# KiCad board fmc_memory_adapter.kicad_pcb (continued)
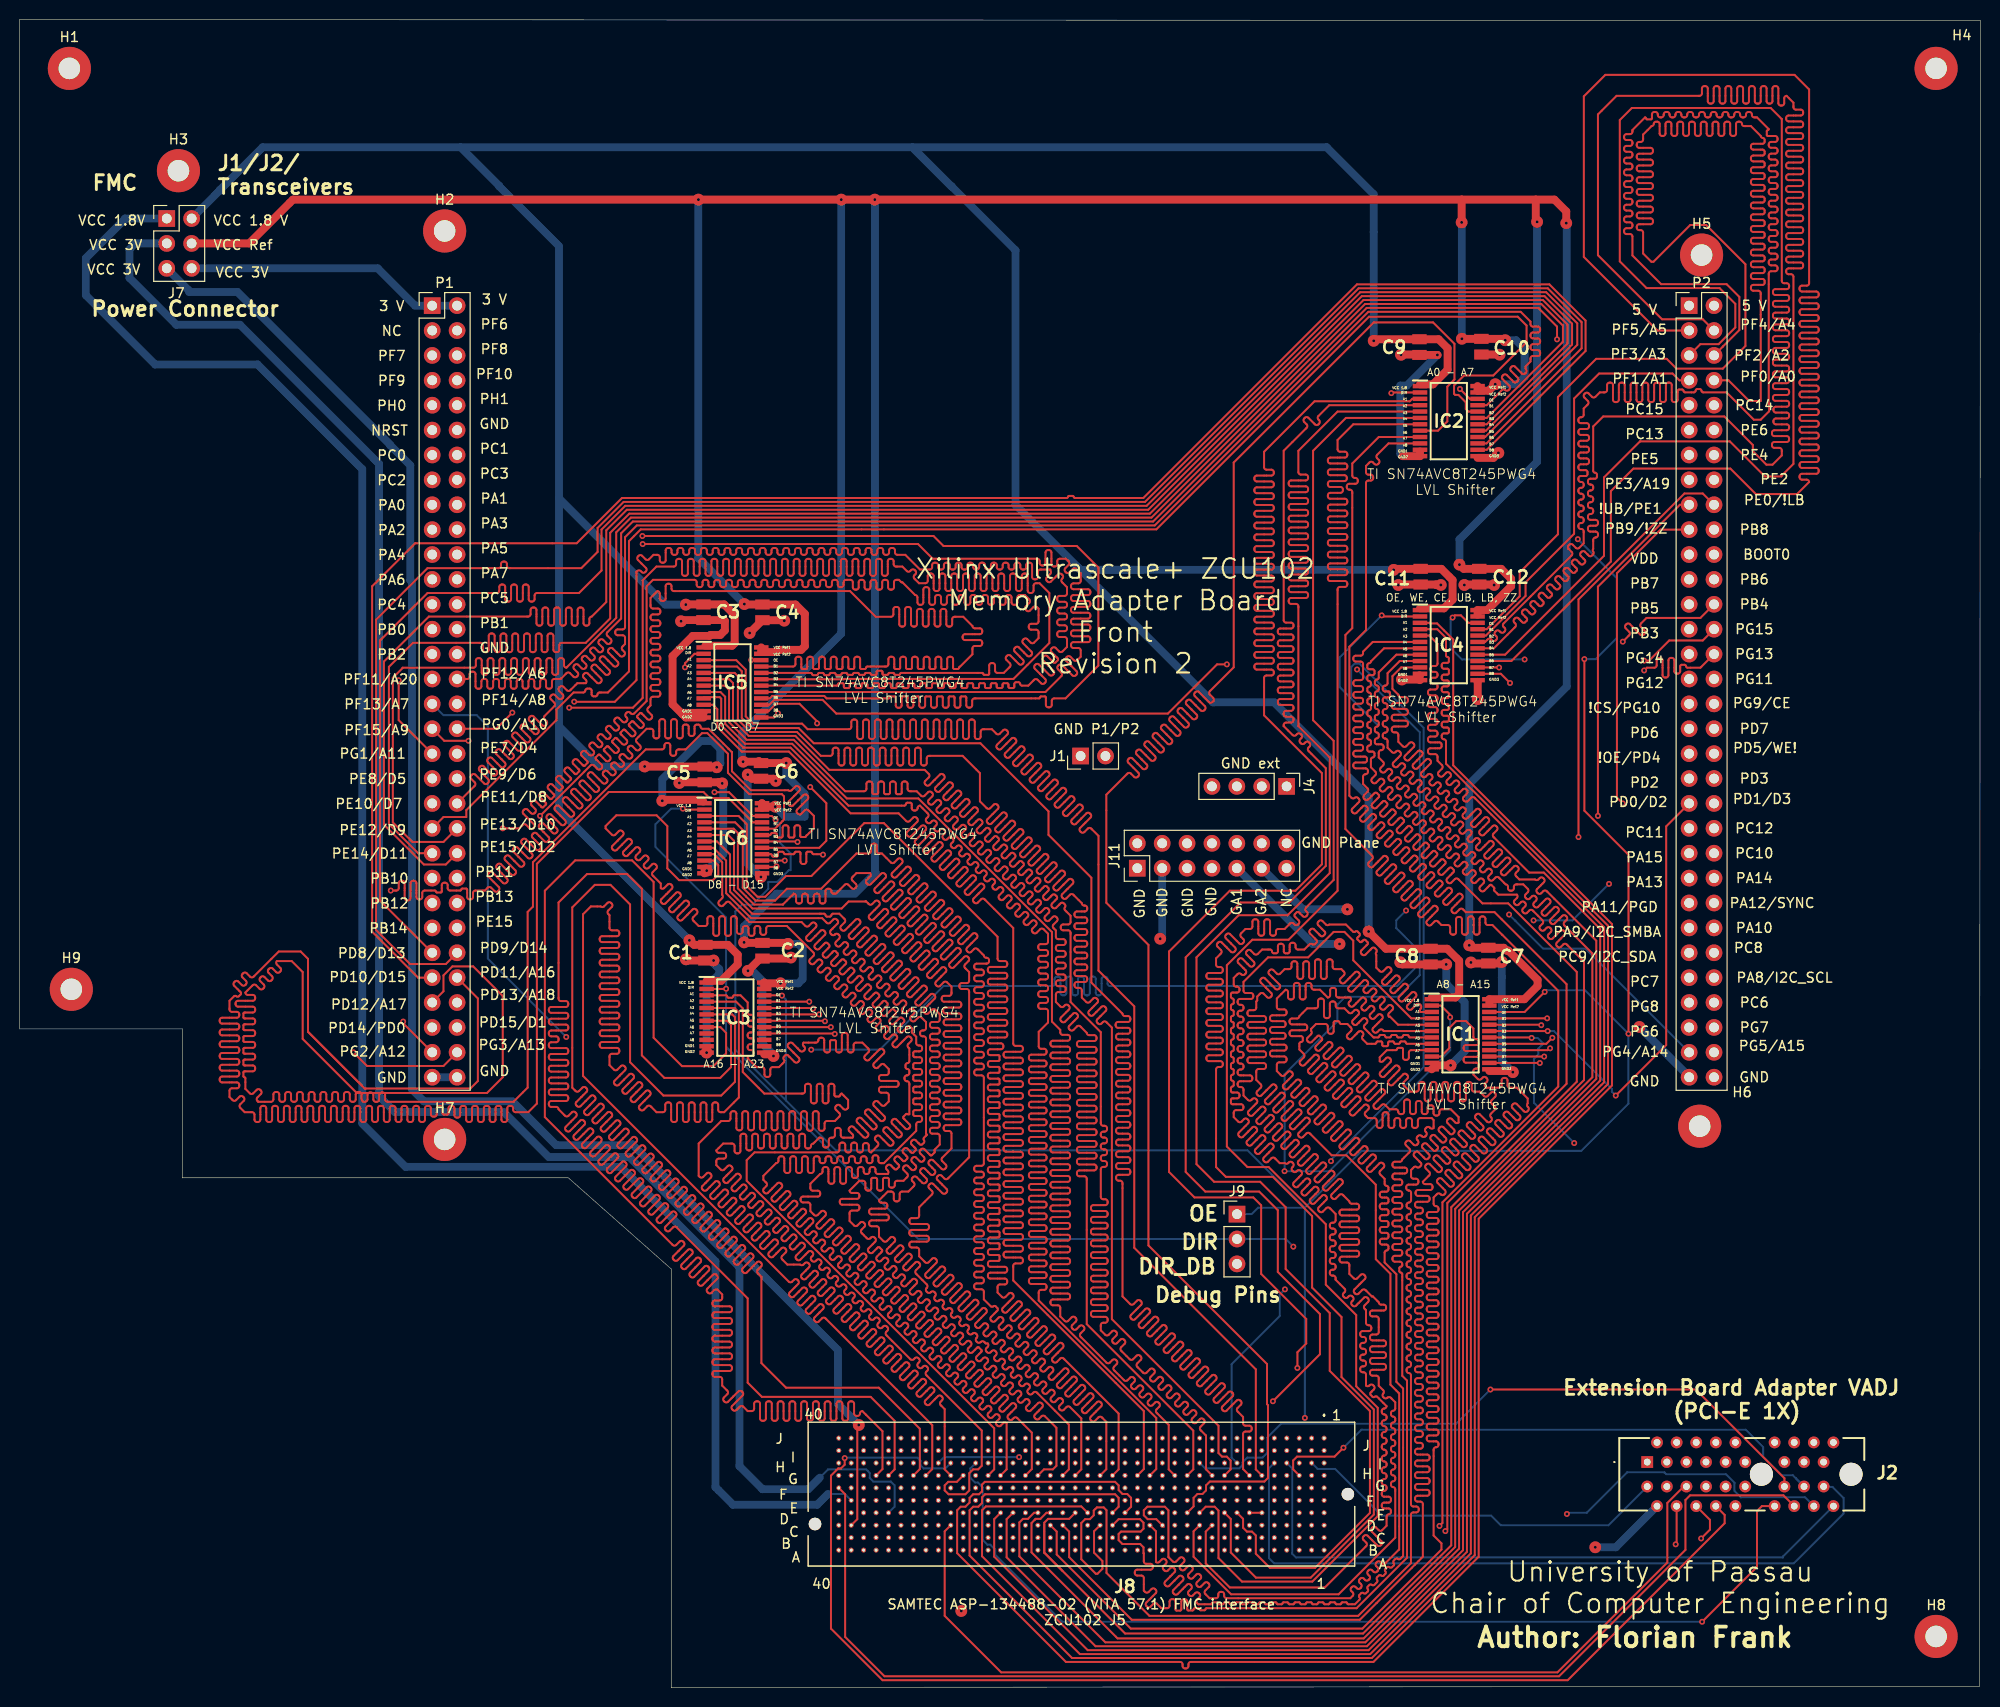
[diagram p0: board, top side]
## Routing (per net, layer and track width the routed paths; a pad name or vN(x,y) marks a point on that pad's centre or on a via; arc(x,y) is an arc through that point) (continued)
Net-(IC3-A3): length 200
  Top w0.2: J8.G33 93.14,22.28 93.14,26.76 82.31,37.59 82.23,37.67 arc(82.06,37.74) 81.89,37.67 81.55,37.33 arc(81.38,37.26) 81.21,37.33 81.13,37.42 arc(81.06,37.59) 81.13,37.76 82,38.63 arc(82.07,38.8) 82,38.97 81.92,39.06 arc(81.75,39.13) 81.58,39.06 80.7,38.18 arc(80.53,38.11) 80.36,38.18 80.28,38.27 arc(80.21,38.44) 80.28,38.61 81.15,39.48 arc(81.22,39.65) 81.15,39.82 81.07,39.9 arc(80.9,39.97) 80.73,39.9 79.85,39.03 arc(79.68,38.96) 79.52,39.03 79.43,39.11 arc(79.36,39.28) 79.43,39.45 80.3,40.33 arc(80.37,40.5) 80.3,40.67 80.22,40.75 arc(80.05,40.82) 79.88,40.75 79.01,39.88 arc(78.84,39.81) 78.67,39.88 78.58,39.96 arc(78.51,40.13) 78.58,40.3 79.46,41.18 arc(79.53,41.35) 79.46,41.52 79.37,41.6 arc(79.2,41.67) 79.03,41.6 78.84,41.4 arc(78.67,41.33) 78.5,41.4 57.5,62.4 57.5,78.9 58.3,79.7 59.3,79.7 arc(59.47,79.63) 59.64,79.7 60.01,80.07 arc(60.18,80.14) 60.35,80.07 60.43,79.98 arc(60.5,79.81) 60.43,79.64 60.06,79.28 arc(59.99,79.11) 60.06,78.94 60.2,78.8 60.2,77.5 arc(60.27,77.33) 60.44,77.26 60.96,77.26 arc(61.13,77.19) 61.2,77.02 61.2,76.9 arc(61.13,76.73) 60.96,76.66 59.44,76.66 arc(59.27,76.59) 59.2,76.42 59.2,76.3 arc(59.27,76.13) 59.44,76.06 60.96,76.06 arc(61.13,75.99) 61.2,75.82 61.2,75.7 arc(61.13,75.53) 60.96,75.46 59.44,75.46 arc(59.27,75.39) 59.2,75.22 59.2,75.1 arc(59.27,74.93) 59.44,74.86 60.96,74.86 arc(61.13,74.79) 61.2,74.62 61.2,74.5 arc(61.13,74.33) 60.96,74.26 59.44,74.26 arc(59.27,74.19) 59.2,74.02 59.2,73.9 arc(59.27,73.73) 59.44,73.66 60.96,73.66 arc(61.13,73.59) 61.2,73.42 61.2,73.3 arc(61.13,73.13) 60.96,73.06 59.44,73.06 arc(59.27,72.99) 59.2,72.82 59.2,72.7 arc(59.27,72.53) 59.44,72.46 60.96,72.46 arc(61.13,72.39) 61.2,72.22 61.2,72.1 arc(61.13,71.93) 60.96,71.86 59.44,71.86 arc(59.27,71.79) 59.2,71.62 59.2,71.5 arc(59.27,71.33) 59.44,71.26 60.96,71.26 arc(61.13,71.19) 61.2,71.02 61.2,70.9 arc(61.13,70.73) 60.96,70.66 59.44,70.66 arc(59.27,70.59) 59.2,70.42 59.2,70.3 arc(59.27,70.13) 59.44,70.06 60.96,70.06 arc(61.13,69.99) 61.2,69.82 61.2,69.7 arc(61.13,69.53) 60.96,69.46 59.44,69.46 arc(59.27,69.39) 59.2,69.22 59.2,69.1 arc(59.27,68.93) 59.44,68.86 60.96,68.86 arc(61.13,68.79) 61.2,68.62 61.2,68.5 arc(61.13,68.33) 60.96,68.26 59.44,68.26 arc(59.27,68.19) 59.2,68.02 59.2,67.9 arc(59.27,67.73) 59.44,67.66 60.96,67.66 arc(61.13,67.59) 61.2,67.42 61.2,67.3 arc(61.13,67.13) 60.96,67.06 59.44,67.06 arc(59.27,66.99) 59.2,66.82 59.2,66.7 arc(59.27,66.53) 59.44,66.46 60.96,66.46 arc(61.13,66.39) 61.2,66.22 61.2,66.1 arc(61.13,65.93) 60.96,65.86 59.44,65.86 arc(59.27,65.79) 59.2,65.62 59.2,65.5 arc(59.27,65.33) 59.44,65.26 60.96,65.26 arc(61.13,65.19) 61.2,65.02 61.2,64.9 arc(61.13,64.73) 60.96,64.66 60.44,64.66 arc(60.27,64.59) 60.2,64.42 60.2,63.5 60.66,63.04 arc(60.83,62.97) 61,63.04 61.37,63.41 arc(61.54,63.48) 61.71,63.41 61.79,63.32 arc(61.86,63.15) 61.79,62.98 60.72,61.91 arc(60.65,61.74) 60.72,61.57 60.8,61.48 arc(60.97,61.41) 61.14,61.48 62.22,62.56 arc(62.38,62.63) 62.55,62.56 62.64,62.47 arc(62.71,62.3) 62.64,62.14 61.56,61.06 arc(61.49,60.89) 61.56,60.72 61.65,60.64 arc(61.82,60.57) 61.99,60.64 63.06,61.71 arc(63.23,61.78) 63.4,61.71 63.49,61.63 arc(63.56,61.46) 63.49,61.29 62.41,60.21 arc(62.34,60.04) 62.41,59.87 62.5,59.79 arc(62.67,59.72) 62.84,59.79 63.91,60.86 arc(64.08,60.93) 64.25,60.86 64.34,60.78 arc(64.41,60.61) 64.34,60.44 63.26,59.36 arc(63.19,59.19) 63.26,59.02 63.35,58.94 arc(63.52,58.87) 63.69,58.94 64.05,59.31 arc(64.22,59.38) 64.39,59.31 65,58.7 65.65,58.7 arc(65.82,58.77) 65.89,58.94 65.89,59.46 arc(65.96,59.63) 66.13,59.7 66.25,59.7 arc(66.42,59.63) 66.49,59.46 66.49,57.94 arc(66.56,57.77) 66.73,57.7 66.85,57.7 arc(67.02,57.77) 67.09,57.94 67.09,59.46 arc(67.16,59.63) 67.33,59.7 67.45,59.7 arc(67.62,59.63) 67.69,59.46 67.69,57.94 arc(67.76,57.77) 67.93,57.7 68.05,57.7 arc(68.22,57.77) 68.29,57.94 68.29,59.46 arc(68.36,59.63) 68.53,59.7 68.65,59.7 arc(68.82,59.63) 68.89,59.46 68.89,57.94 arc(68.96,57.77) 69.13,57.7 69.25,57.7 arc(69.42,57.77) 69.49,57.94 69.49,59.46 arc(69.56,59.63) 69.73,59.7 69.85,59.7 arc(70.02,59.63) 70.09,59.46 70.09,57.94 arc(70.16,57.77) 70.33,57.7 70.45,57.7 arc(70.62,57.77) 70.69,57.94 70.69,59.46 arc(70.76,59.63) 70.93,59.7 71.05,59.7 arc(71.22,59.63) 71.29,59.46 71.29,58.94 arc(71.36,58.77) 71.53,58.7 71.9,58.7 73.4,60.2 73.4,68.9 72.97,69.33 IC3.5
Net-(IC3-A4): length 200
  Top w0.2: IC3.6 72.72,68.68 73,68.4 73,61.8 71.6,60.4 65.7,60.4 62.3,63.8 62.3,79.9 60.3,81.9 58.7,81.9 56.4,79.6 56.4,61.2 56.75,60.85 arc(56.91,60.78) 57.08,60.85 57.44,61.21 arc(57.61,61.28) 57.78,61.21 57.86,61.13 arc(57.93,60.96) 57.86,60.79 56.81,59.74 arc(56.74,59.57) 56.81,59.4 56.9,59.31 arc(57.07,59.24) 57.24,59.31 58.29,60.36 arc(58.46,60.43) 58.63,60.36 58.71,60.28 arc(58.78,60.11) 58.71,59.94 57.66,58.89 arc(57.59,58.72) 57.66,58.55 57.75,58.46 arc(57.92,58.39) 58.09,58.46 59.14,59.51 arc(59.31,59.58) 59.48,59.51 59.56,59.43 arc(59.63,59.26) 59.56,59.09 58.51,58.04 arc(58.44,57.87) 58.51,57.7 58.6,57.61 arc(58.77,57.54) 58.94,57.61 59.99,58.66 arc(60.16,58.74) 60.33,58.66 60.41,58.58 arc(60.48,58.41) 60.41,58.24 59.36,57.19 arc(59.29,57.02) 59.36,56.85 59.44,56.77 arc(59.61,56.7) 59.78,56.77 60.83,57.82 arc(61,57.89) 61.17,57.82 61.26,57.73 arc(61.33,57.56) 61.26,57.39 60.21,56.34 arc(60.14,56.17) 60.21,56 60.29,55.92 arc(60.46,55.85) 60.63,55.92 61.68,56.97 arc(61.85,57.04) 62.02,56.97 62.11,56.88 arc(62.18,56.71) 62.11,56.54 61.06,55.49 arc(60.99,55.32) 61.06,55.15 61.14,55.07 arc(61.31,55) 61.48,55.07 62.53,56.12 arc(62.7,56.19) 62.87,56.12 62.96,56.03 arc(63.03,55.86) 62.96,55.69 61.91,54.64 arc(61.83,54.47) 61.91,54.31 61.99,54.22 arc(62.16,54.15) 62.33,54.22 63.38,55.27 arc(63.55,55.34) 63.72,55.27 63.8,55.19 arc(63.87,55.02) 63.8,54.85 62.75,53.8 arc(62.68,53.63) 62.75,53.46 62.84,53.37 arc(63.01,53.3) 63.18,53.37 64.23,54.42 arc(64.4,54.49) 64.57,54.42 64.65,54.34 arc(64.72,54.17) 64.65,54 63.6,52.95 arc(63.53,52.78) 63.6,52.61 63.69,52.52 arc(63.86,52.45) 64.03,52.52 65.08,53.57 arc(65.25,53.64) 65.42,53.57 65.5,53.49 arc(65.57,53.32) 65.5,53.15 64.45,52.1 arc(64.38,51.93) 64.45,51.76 64.54,51.67 arc(64.71,51.6) 64.87,51.67 65.93,52.72 arc(66.1,52.8) 66.26,52.72 66.35,52.64 arc(66.42,52.47) 66.35,52.3 65.3,51.25 arc(65.23,51.08) 65.3,50.91 65.38,50.83 arc(65.55,50.76) 65.72,50.83 66.77,51.88 arc(66.94,51.95) 67.11,51.88 67.2,51.79 arc(67.27,51.62) 67.2,51.45 66.15,50.4 arc(66.08,50.23) 66.15,50.06 66.23,49.98 arc(66.4,49.91) 66.57,49.98 67.62,51.03 arc(67.79,51.1) 67.96,51.03 68.05,50.94 arc(68.12,50.77) 68.05,50.6 67,49.55 arc(66.93,49.38) 67,49.21 67.08,49.13 arc(67.25,49.06) 67.42,49.13 68.47,50.18 arc(68.64,50.25) 68.81,50.18 68.9,50.09 arc(68.97,49.92) 68.9,49.76 67.84,48.7 arc(67.77,48.54) 67.84,48.37 67.93,48.28 arc(68.1,48.21) 68.27,48.28 69.32,49.33 arc(69.49,49.4) 69.66,49.33 69.74,49.25 arc(69.81,49.08) 69.74,48.91 68.69,47.86 arc(68.62,47.69) 68.69,47.52 68.78,47.43 arc(68.95,47.36) 69.12,47.43 70.17,48.48 arc(70.34,48.55) 70.51,48.48 70.59,48.4 arc(70.66,48.23) 70.59,48.06 69.54,47.01 arc(69.47,46.84) 69.54,46.67 69.63,46.58 arc(69.8,46.51) 69.97,46.58 71.02,47.63 arc(71.19,47.7) 71.36,47.63 71.44,47.55 arc(71.51,47.38) 71.44,47.21 70.39,46.16 arc(70.32,45.99) 70.39,45.82 70.48,45.73 arc(70.65,45.66) 70.81,45.73 71.87,46.79 arc(72.03,46.86) 72.2,46.79 72.29,46.7 arc(72.36,46.53) 72.29,46.36 71.24,45.31 arc(71.17,45.14) 71.24,44.97 71.32,44.89 arc(71.49,44.82) 71.66,44.89 72.71,45.94 arc(72.88,46.01) 73.05,45.94 73.14,45.85 arc(73.21,45.68) 73.14,45.51 72.09,44.46 arc(72.02,44.29) 72.09,44.12 72.17,44.04 arc(72.34,43.97) 72.51,44.04 73.56,45.09 arc(73.73,45.16) 73.9,45.09 73.99,45 arc(74.06,44.83) 73.99,44.66 72.94,43.61 arc(72.87,43.44) 72.94,43.27 73.02,43.19 arc(73.19,43.12) 73.36,43.19 74.41,44.24 arc(74.58,44.31) 74.75,44.24 74.83,44.15 arc(74.91,43.99) 74.83,43.82 73.78,42.77 arc(73.71,42.6) 73.78,42.43 73.87,42.34 arc(74.04,42.27) 74.21,42.34 75.26,43.39 arc(75.43,43.46) 75.6,43.39 75.68,43.31 arc(75.75,43.14) 75.68,42.97 75.33,42.61 arc(75.26,42.44) 75.33,42.27 75.7,41.9 75.7,33.1 78.22,30.58 87.68,30.58 91.87,26.4 91.87,22.28 J8.G34
Net-(IC3-A5): length 200
  Top w0.2: IC3.7 72.2,68.03 72.6,67.63 72.6,63.3 71.5,62.2 65.8,62.2 63.5,64.5 63.5,81.5 62,83 57.9,83 55,80.1 55,70.28 arc(55.07,70.11) 55.24,70.04 55.75,70.04 arc(55.92,69.97) 55.99,69.8 55.99,69.68 arc(55.92,69.51) 55.75,69.44 54.25,69.44 arc(54.08,69.37) 54.01,69.2 54.01,69.08 arc(54.08,68.91) 54.25,68.84 55.75,68.84 arc(55.92,68.77) 55.99,68.6 55.99,68.48 arc(55.92,68.31) 55.75,68.24 54.25,68.24 arc(54.08,68.17) 54.01,68 54.01,67.88 arc(54.08,67.71) 54.25,67.64 55.75,67.64 arc(55.92,67.57) 55.99,67.4 55.99,67.28 arc(55.92,67.11) 55.75,67.04 54.25,67.04 arc(54.08,66.97) 54.01,66.8 54.01,66.68 arc(54.08,66.51) 54.25,66.44 54.76,66.44 arc(54.93,66.37) 55,66.2 55,66.08 arc(54.93,65.91) 54.76,65.84 54.25,65.84 arc(54.08,65.77) 54.01,65.6 54.01,65.48 arc(54.08,65.31) 54.25,65.24 55.75,65.24 arc(55.92,65.17) 55.99,65 55.99,64.88 arc(55.92,64.71) 55.75,64.64 54.25,64.64 arc(54.08,64.57) 54.01,64.4 54.01,64.28 arc(54.08,64.11) 54.25,64.04 55.75,64.04 arc(55.92,63.97) 55.99,63.8 55.99,63.68 arc(55.92,63.51) 55.75,63.44 54.25,63.44 arc(54.08,63.37) 54.01,63.2 54.01,63.08 arc(54.08,62.91) 54.25,62.84 55.75,62.84 arc(55.92,62.77) 55.99,62.6 55.99,62.48 arc(55.92,62.31) 55.75,62.24 54.25,62.24 arc(54.08,62.17) 54.01,62 54.01,61.88 arc(54.08,61.71) 54.25,61.64 55.75,61.64 arc(55.92,61.57) 55.99,61.4 55.99,61.28 arc(55.92,61.11) 55.75,61.04 54.25,61.04 arc(54.08,60.97) 54.01,60.8 54.01,60.68 arc(54.08,60.51) 54.25,60.44 55.75,60.44 arc(55.92,60.37) 55.99,60.2 55.99,60.08 arc(55.92,59.91) 55.75,59.84 54.25,59.84 arc(54.08,59.77) 54.01,59.6 54.01,59.48 arc(54.08,59.31) 54.25,59.24 54.76,59.24 arc(54.93,59.17) 55,59 55.67,58.33 arc(55.84,58.26) 56.01,58.33 56.37,58.69 arc(56.54,58.76) 56.71,58.69 56.79,58.61 arc(56.86,58.44) 56.79,58.27 55.73,57.21 arc(55.66,57.04) 55.73,56.87 55.82,56.78 arc(55.99,56.71) 56.16,56.78 57.22,57.84 arc(57.39,57.91) 57.56,57.84 57.64,57.76 arc(57.71,57.59) 57.64,57.42 56.58,56.36 arc(56.51,56.19) 56.58,56.02 56.66,55.93 arc(56.83,55.86) 57,55.93 58.07,57 arc(58.24,57.07) 58.41,57 58.49,56.91 arc(58.56,56.74) 58.49,56.57 57.43,55.51 arc(57.36,55.34) 57.43,55.17 57.51,55.09 arc(57.68,55.02) 57.85,55.09 58.91,56.15 arc(59.08,56.22) 59.25,56.15 59.34,56.06 arc(59.41,55.89) 59.34,55.72 58.28,54.66 arc(58.21,54.49) 58.28,54.32 58.36,54.24 arc(58.53,54.17) 58.7,54.24 59.76,55.3 arc(59.93,55.37) 60.1,55.3 60.19,55.21 arc(60.26,55.04) 60.19,54.87 59.13,53.81 arc(59.06,53.64) 59.13,53.47 59.21,53.39 arc(59.38,53.32) 59.55,53.39 60.61,54.45 arc(60.78,54.52) 60.95,54.45 61.04,54.37 arc(61.11,54.2) 61.04,54.03 59.97,52.96 arc(59.9,52.79) 59.97,52.62 60.06,52.54 arc(60.23,52.47) 60.4,52.54 61.46,53.6 arc(61.63,53.67) 61.8,53.6 61.88,53.52 arc(61.95,53.35) 61.88,53.18 60.82,52.12 arc(60.75,51.95) 60.82,51.78 60.91,51.69 arc(61.08,51.62) 61.25,51.69 62.31,52.75 arc(62.48,52.82) 62.65,52.75 62.73,52.67 arc(62.8,52.5) 62.73,52.33 61.67,51.27 arc(61.6,51.1) 61.67,50.93 61.76,50.84 arc(61.93,50.77) 62.1,50.84 63.16,51.9 arc(63.33,51.98) 63.5,51.9 63.58,51.82 arc(63.65,51.65) 63.58,51.48 62.52,50.42 arc(62.45,50.25) 62.52,50.08 62.6,49.99 arc(62.77,49.92) 62.94,49.99 64.01,51.06 arc(64.18,51.13) 64.35,51.06 64.43,50.97 arc(64.5,50.8) 64.43,50.63 63.37,49.57 arc(63.3,49.4) 63.37,49.23 63.45,49.15 arc(63.62,49.08) 63.79,49.15 64.85,50.21 arc(65.02,50.28) 65.19,50.21 65.28,50.12 arc(65.35,49.95) 65.28,49.78 64.22,48.72 arc(64.15,48.55) 64.22,48.38 64.3,48.3 arc(64.47,48.23) 64.64,48.3 65.7,49.36 arc(65.87,49.43) 66.04,49.36 66.13,49.27 arc(66.2,49.1) 66.13,48.93 65.07,47.87 arc(64.99,47.7) 65.07,47.53 65.15,47.45 arc(65.32,47.38) 65.49,47.45 66.55,48.51 arc(66.72,48.58) 66.89,48.51 66.98,48.43 arc(67.05,48.26) 66.98,48.09 65.91,47.02 arc(65.84,46.85) 65.91,46.68 66,46.6 arc(66.17,46.53) 66.34,46.6 66.7,46.96 arc(66.87,47.03) 67.04,46.96 74.3,39.7 74.3,31.1 75.75,29.65 86.85,29.65 89.3,27.2 89.3,22.25 J8.G36
Net-(IC3-A6): length 200
  Top w0.2: IC3.8 71.52,67.38 72.1,66.8 72.1,64.7 70.8,63.4 67.6,63.4 64.7,66.3 64.7,82.2 62.5,84.4 56.7,84.4 53.6,81.3 53.6,58.2 66.57,45.23 66.66,45.14 arc(66.83,45.07) 67,45.14 67.36,45.5 arc(67.53,45.57) 67.7,45.5 67.78,45.42 arc(67.85,45.25) 67.78,45.08 66.72,44.02 arc(66.65,43.85) 66.72,43.68 66.8,43.59 arc(66.97,43.52) 67.14,43.59 68.21,44.66 arc(68.38,44.73) 68.55,44.66 68.63,44.57 arc(68.7,44.4) 68.63,44.23 67.57,43.17 arc(67.5,43) 67.57,42.83 67.65,42.74 arc(67.82,42.67) 67.99,42.74 69.06,43.81 arc(69.23,43.88) 69.4,43.81 69.48,43.72 arc(69.55,43.55) 69.48,43.38 68.42,42.32 arc(68.35,42.15) 68.42,41.98 68.5,41.89 arc(68.67,41.82) 68.84,41.89 69.91,42.96 arc(70.08,43.03) 70.25,42.96 70.33,42.87 arc(70.4,42.7) 70.33,42.53 69.27,41.47 arc(69.2,41.3) 69.27,41.13 69.35,41.05 arc(69.52,40.98) 69.69,41.05 70.75,42.11 arc(70.92,42.18) 71.09,42.11 71.18,42.03 arc(71.25,41.86) 71.18,41.69 70.18,40.69 arc(70.11,40.52) 70.18,40.35 70.27,40.27 arc(70.44,40.2) 70.61,40.27 70.9,40.56 arc(71.07,40.63) 71.24,40.56 71.7,40.1 71.7,39.73 arc(71.63,39.56) 71.46,39.49 70.95,39.49 arc(70.78,39.42) 70.71,39.25 70.71,39.13 arc(70.78,38.96) 70.95,38.89 72.45,38.89 arc(72.62,38.82) 72.69,38.65 72.69,38.53 arc(72.62,38.36) 72.45,38.29 70.95,38.29 arc(70.78,38.22) 70.71,38.05 70.71,37.93 arc(70.78,37.76) 70.95,37.69 72.45,37.69 arc(72.62,37.62) 72.69,37.45 72.69,37.33 arc(72.62,37.16) 72.45,37.09 70.95,37.09 arc(70.78,37.02) 70.71,36.85 70.71,36.73 arc(70.78,36.56) 70.95,36.49 72.45,36.49 arc(72.62,36.42) 72.69,36.25 72.69,36.13 arc(72.62,35.96) 72.45,35.89 70.95,35.89 arc(70.78,35.82) 70.71,35.65 70.71,35.53 arc(70.78,35.36) 70.95,35.29 72.45,35.29 arc(72.62,35.22) 72.69,35.05 72.69,34.93 arc(72.62,34.76) 72.45,34.69 70.95,34.69 arc(70.78,34.62) 70.71,34.45 70.71,34.33 arc(70.78,34.16) 70.95,34.09 72.45,34.09 arc(72.62,34.02) 72.69,33.85 72.69,33.73 arc(72.62,33.56) 72.45,33.49 70.95,33.49 arc(70.78,33.42) 70.71,33.25 70.71,33.13 arc(70.78,32.96) 70.95,32.89 72.45,32.89 arc(72.62,32.82) 72.69,32.65 72.69,32.53 arc(72.62,32.36) 72.45,32.29 70.95,32.29 arc(70.78,32.22) 70.71,32.05 70.71,31.93 arc(70.78,31.76) 70.95,31.69 71.46,31.69 arc(71.63,31.62) 71.7,31.45 71.7,30.8 72.23,30.27 arc(72.3,30.1) 72.23,29.93 71.87,29.57 arc(71.8,29.4) 71.87,29.23 71.95,29.15 arc(72.12,29.08) 72.29,29.15 73.35,30.21 arc(73.52,30.28) 73.69,30.21 73.78,30.13 arc(73.85,29.96) 73.78,29.79 72.71,28.72 arc(72.64,28.55) 72.71,28.38 72.8,28.3 arc(72.97,28.23) 73.14,28.3 73.5,28.66 arc(73.67,28.73) 73.84,28.66 74.3,28.2 74.72,28.2 arc(74.89,28.27) 74.96,28.44 74.96,28.95 arc(75.03,29.12) 75.2,29.19 75.32,29.19 arc(75.49,29.12) 75.56,28.95 75.56,27.45 arc(75.63,27.28) 75.8,27.21 75.92,27.21 arc(76.09,27.28) 76.16,27.45 76.16,28.95 arc(76.23,29.12) 76.4,29.19 76.52,29.19 arc(76.69,29.12) 76.76,28.95 76.76,27.45 arc(76.83,27.28) 77,27.21 77.12,27.21 arc(77.29,27.28) 77.36,27.45 77.36,28.95 arc(77.43,29.12) 77.6,29.19 77.72,29.19 arc(77.89,29.12) 77.96,28.95 77.96,27.45 arc(78.03,27.28) 78.2,27.21 78.32,27.21 arc(78.49,27.28) 78.56,27.45 78.56,28.95 arc(78.63,29.12) 78.8,29.19 78.92,29.19 arc(79.09,29.12) 79.16,28.95 79.16,27.45 arc(79.23,27.28) 79.4,27.21 79.52,27.21 arc(79.69,27.28) 79.76,27.45 79.76,28.95 arc(79.83,29.12) 80,29.19 80.12,29.19 arc(80.29,29.12) 80.36,28.95 80.36,27.45 arc(80.43,27.28) 80.6,27.21 80.72,27.21 arc(80.89,27.28) 80.96,27.45 80.96,28.95 arc(81.03,29.12) 81.2,29.19 81.32,29.19 arc(81.49,29.12) 81.56,28.95 81.56,27.45 arc(81.63,27.28) 81.8,27.21 81.92,27.21 arc(82.09,27.28) 82.16,27.45 82.16,28.95 arc(82.23,29.12) 82.4,29.19 82.52,29.19 arc(82.69,29.12) 82.76,28.95 82.76,27.45 arc(82.83,27.28) 83,27.21 83.12,27.21 arc(83.29,27.28) 83.36,27.45 83.36,28.95 arc(83.43,29.12) 83.6,29.19 83.72,29.19 arc(83.89,29.12) 83.96,28.95 83.96,27.45 arc(84.03,27.28) 84.2,27.21 84.32,27.21 arc(84.49,27.28) 84.56,27.45 84.56,28.95 arc(84.63,29.12) 84.8,29.19 84.92,29.19 arc(85.09,29.12) 85.16,28.95 85.16,27.95 arc(85.23,27.78) 85.4,27.71 85.52,27.71 arc(85.69,27.78) 85.76,27.95 85.76,27.96 arc(85.83,28.13) 86,28.2 88.06,26.14 88.06,22.28 J8.G37
Net-(IC3-B1): length 198.5
  Top w0.2: IC3.21 v2(80.59,69.98)
  In2.Cu w0.2: v2(80.59,69.98) 85.69,69.98 arc(85.86,70.05) 85.93,70.22 85.93,70.73 arc(86,70.9) 86.17,70.97 86.29,70.97 arc(86.46,70.9) 86.53,70.73 86.53,69.83 arc(86.58,69.73) 86.68,69.69 86.99,69.69 arc(87.09,69.73) 87.13,69.83 87.13,70.73 arc(87.2,70.9) 87.37,70.97 87.49,70.97 arc(87.66,70.9) 87.73,70.73 87.73,69.83 arc(87.78,69.73) 87.88,69.69 88.19,69.69 arc(88.29,69.73) 88.33,69.83 88.33,70.73 arc(88.4,70.9) 88.57,70.97 88.69,70.97 arc(88.86,70.9) 88.93,70.73 88.93,69.83 arc(88.98,69.73) 89.08,69.69 89.39,69.69 arc(89.49,69.73) 89.53,69.83 89.53,70.73 arc(89.6,70.9) 89.77,70.97 89.89,70.97 arc(90.06,70.9) 90.13,70.73 90.13,69.83 arc(90.18,69.73) 90.28,69.69 90.59,69.69 arc(90.69,69.73) 90.73,69.83 90.73,70.73 arc(90.8,70.9) 90.97,70.97 91.09,70.97 arc(91.26,70.9) 91.33,70.73 91.33,69.83 arc(91.38,69.73) 91.48,69.69 91.79,69.69 arc(91.89,69.73) 91.93,69.83 91.93,70.73 arc(92,70.9) 92.17,70.97 92.29,70.97 arc(92.46,70.9) 92.53,70.73 92.53,69.83 arc(92.58,69.73) 92.68,69.69 92.99,69.69 arc(93.09,69.73) 93.13,69.83 93.13,70.73 arc(93.2,70.9) 93.37,70.97 93.49,70.97 arc(93.66,70.9) 93.73,70.73 93.73,69.83 arc(93.78,69.73) 93.88,69.69 94.19,69.69 arc(94.29,69.73) 94.33,69.83 94.33,70.48 arc(94.4,70.65) 94.57,70.72 94.69,70.72 arc(94.86,70.65) 94.93,70.48 94.93,69.83 arc(94.98,69.73) 95.08,69.69 95.39,69.69 arc(95.49,69.73) 95.53,69.83 95.53,70.48 arc(95.6,70.65) 95.77,70.72 95.89,70.72 arc(96.06,70.65) 96.13,70.48 96.13,69.83 arc(96.18,69.73) 96.28,69.69 96.59,69.69 arc(96.69,69.73) 96.73,69.83 96.73,70.48 arc(96.8,70.65) 96.97,70.72 97.09,70.72 arc(97.26,70.65) 97.33,70.48 97.33,69.23 arc(97.4,69.06) 97.57,68.99 97.69,68.99 arc(97.86,69.06) 97.93,69.23 97.93,70.48 arc(98,70.65) 98.17,70.72 98.29,70.72 arc(98.46,70.65) 98.53,70.48 98.53,69.23 arc(98.6,69.06) 98.77,68.99 98.89,68.99 arc(99.06,69.06) 99.13,69.23 99.13,70.48 arc(99.2,70.65) 99.37,70.72 99.49,70.72 arc(99.66,70.65) 99.73,70.48 99.73,69.23 arc(99.8,69.06) 99.97,68.99 100.09,68.99 arc(100.26,69.06) 100.33,69.23 100.33,70.48 arc(100.4,70.65) 100.57,70.72 100.69,70.72 arc(100.86,70.65) 100.93,70.48 100.93,69.43 arc(101,69.26) 101.17,69.19 101.29,69.19 arc(101.46,69.26) 101.53,69.43 101.53,70.48 arc(101.6,70.65) 101.77,70.72 101.89,70.72 arc(102.06,70.65) 102.13,70.48 102.13,69.43 arc(102.2,69.26) 102.37,69.19 102.49,69.19 arc(102.66,69.26) 102.73,69.43 102.73,70.48 arc(102.8,70.65) 102.97,70.72 103.09,70.72 arc(103.26,70.65) 103.33,70.48 103.33,69.43 arc(103.4,69.26) 103.57,69.19 103.69,69.19 arc(103.86,69.26) 103.93,69.43 103.93,70.48 arc(104,70.65) 104.17,70.72 104.29,70.72 arc(104.46,70.65) 104.53,70.48 104.53,69.43 arc(104.6,69.26) 104.77,69.19 104.89,69.19 arc(105.06,69.26) 105.13,69.43 105.13,70.48 arc(105.2,70.65) 105.37,70.72 105.49,70.72 arc(105.66,70.65) 105.73,70.48 105.73,69.43 arc(105.8,69.26) 105.97,69.19 106.09,69.19 arc(106.26,69.26) 106.33,69.43 106.33,70.48 arc(106.4,70.65) 106.57,70.72 106.69,70.72 arc(106.86,70.65) 106.93,70.48 106.93,69.43 arc(107,69.26) 107.17,69.19 107.29,69.19 arc(107.46,69.26) 107.53,69.43 107.53,70.48 arc(107.6,70.65) 107.77,70.72 107.89,70.72 arc(108.06,70.65) 108.13,70.48 108.13,69.43 arc(108.2,69.26) 108.37,69.19 108.49,69.19 arc(108.66,69.26) 108.73,69.43 108.73,70.48 arc(108.8,70.65) 108.97,70.72 109.09,70.72 arc(109.26,70.65) 109.33,70.48 109.33,70.22 arc(109.4,70.05) 109.57,69.98 135.07,69.98 arc(135.24,70.05) 135.31,70.22 135.31,70.49 arc(135.38,70.66) 135.55,70.73 135.67,70.73 arc(135.84,70.66) 135.91,70.49 135.91,69.22 arc(135.98,69.05) 136.15,68.98 136.27,68.98 arc(136.44,69.05) 136.51,69.22 136.51,70.49 arc(136.58,70.66) 136.75,70.73 136.87,70.73 arc(137.04,70.66) 137.11,70.49 137.11,69.22 arc(137.18,69.05) 137.35,68.98 137.47,68.98 arc(137.64,69.05) 137.71,69.22 137.71,70.49 arc(137.78,70.66) 137.95,70.73 138.07,70.73 arc(138.24,70.66) 138.31,70.49 138.31,69.22 arc(138.38,69.05) 138.55,68.98 138.67,68.98 arc(138.84,69.05) 138.91,69.22 138.91,70.49 arc(138.98,70.66) 139.15,70.73 139.27,70.73 arc(139.44,70.66) 139.51,70.49 139.51,69.22 arc(139.58,69.05) 139.75,68.98 139.87,68.98 arc(140.04,69.05) 140.11,69.22 140.11,70.49 arc(140.18,70.66) 140.35,70.73 140.47,70.73 arc(140.64,70.66) 140.71,70.49 140.71,69.22 arc(140.78,69.05) 140.95,68.98 141.07,68.98 arc(141.24,69.05) 141.31,69.22 141.31,70.49 arc(141.38,70.66) 141.55,70.73 141.67,70.73 arc(141.84,70.66) 141.91,70.49 141.91,69.22 arc(141.98,69.05) 142.15,68.98 142.27,68.98 arc(142.44,69.05) 142.51,69.22 142.51,70.49 arc(142.58,70.66) 142.75,70.73 142.87,70.73 arc(143.04,70.66) 143.11,70.49 143.11,69.22 arc(143.18,69.05) 143.35,68.98 143.47,68.98 arc(143.64,69.05) 143.71,69.22 143.71,70.49 arc(143.78,70.66) 143.95,70.73 144.07,70.73 arc(144.24,70.66) 144.31,70.49 144.31,69.22 arc(144.38,69.05) 144.55,68.98 144.67,68.98 arc(144.84,69.05) 144.91,69.22 144.91,70.49 arc(144.98,70.66) 145.15,70.73 145.27,70.73 arc(145.44,70.66) 145.51,70.49 145.51,69.22 arc(145.58,69.05) 145.75,68.98 145.87,68.98 arc(146.04,69.05) 146.11,69.22 146.11,70.49 arc(146.18,70.66) 146.35,70.73 146.47,70.73 arc(146.64,70.66) 146.71,70.49 146.71,69.22 arc(146.78,69.05) 146.95,68.98 147.07,68.98 arc(147.24,69.05) 147.31,69.22 147.31,70.49 arc(147.38,70.66) 147.55,70.73 147.67,70.73 arc(147.84,70.66) 147.91,70.49 147.91,69.22 arc(147.98,69.05) 148.15,68.98 148.27,68.98 arc(148.44,69.05) 148.51,69.22 148.51,70.49 arc(148.58,70.66) 148.75,70.73 148.87,70.73 arc(149.04,70.66) 149.11,70.49 149.11,69.22 arc(149.18,69.05) 149.35,68.98 149.47,68.98 arc(149.64,69.05) 149.71,69.22 149.71,70.49 arc(149.78,70.66) 149.95,70.73 150.07,70.73 arc(150.24,70.66) 150.31,70.49 150.31,70.22 arc(150.38,70.05) 150.55,69.98 151.09,69.98 157.49,76.38 157.49,89.18 163.6,95.29 P2.37
Net-(IC3-B2): length 198.5
  Top w0.2: v2(80.99,69.28) 80.94,69.33 IC3.20
  In2.Cu w0.2: v2(80.99,69.28) 96.49,69.28 97.99,67.78 99.71,67.78 arc(99.88,67.71) 99.95,67.54 99.95,67.02 arc(100.03,66.85) 100.19,66.78 100.31,66.78 arc(100.48,66.85) 100.55,67.02 100.55,68.54 arc(100.63,68.71) 100.79,68.78 100.91,68.78 arc(101.08,68.71) 101.15,68.54 101.15,68.02 arc(101.23,67.85) 101.39,67.78 101.51,67.78 arc(101.68,67.85) 101.75,68.02 101.75,68.54 arc(101.83,68.71) 101.99,68.78 102.11,68.78 arc(102.28,68.71) 102.35,68.54 102.35,68.02 arc(102.43,67.85) 102.59,67.78 102.71,67.78 arc(102.88,67.85) 102.95,68.02 102.95,68.54 arc(103.03,68.71) 103.19,68.78 103.31,68.78 arc(103.48,68.71) 103.55,68.54 103.55,68.02 arc(103.63,67.85) 103.79,67.78 103.91,67.78 arc(104.08,67.85) 104.15,68.02 104.15,68.54 arc(104.23,68.71) 104.39,68.78 104.51,68.78 arc(104.68,68.71) 104.75,68.54 104.75,68.02 arc(104.83,67.85) 104.99,67.78 105.11,67.78 arc(105.28,67.85) 105.35,68.02 105.35,68.54 arc(105.43,68.71) 105.59,68.78 105.71,68.78 arc(105.88,68.71) 105.95,68.54 105.95,68.02 arc(106.03,67.85) 106.19,67.78 106.31,67.78 arc(106.48,67.85) 106.55,68.02 106.55,68.54 arc(106.63,68.71) 106.79,68.78 106.91,68.78 arc(107.08,68.71) 107.15,68.54 107.15,68.02 arc(107.23,67.85) 107.39,67.78 107.51,67.78 arc(107.68,67.85) 107.75,68.02 107.75,68.54 arc(107.83,68.71) 107.99,68.78 108.11,68.78 arc(108.28,68.71) 108.35,68.54 108.35,68.02 arc(108.43,67.85) 108.59,67.78 108.71,67.78 arc(108.88,67.85) 108.95,68.02 108.95,68.54 arc(109.03,68.71) 109.19,68.78 109.31,68.78 arc(109.48,68.71) 109.55,68.54 109.55,68.02 arc(109.63,67.85) 109.79,67.78 109.91,67.78 arc(110.08,67.85) 110.15,68.02 110.15,68.54 arc(110.23,68.71) 110.39,68.78 110.51,68.78 arc(110.68,68.71) 110.75,68.54 110.75,68.02 arc(110.83,67.85) 110.99,67.78 111.11,67.78 arc(111.28,67.85) 111.35,68.02 111.35,68.54 arc(111.43,68.71) 111.59,68.78 111.71,68.78 arc(111.88,68.71) 111.95,68.54 111.95,68.02 arc(112.03,67.85) 112.19,67.78 112.31,67.78 arc(112.48,67.85) 112.55,68.02 112.55,68.54 arc(112.63,68.71) 112.79,68.78 112.91,68.78 arc(113.08,68.71) 113.15,68.54 113.15,67.02 arc(113.23,66.85) 113.39,66.78 113.51,66.78 arc(113.68,66.85) 113.75,67.02 113.75,68.54 arc(113.83,68.71) 113.99,68.78 114.11,68.78 arc(114.28,68.71) 114.35,68.54 114.35,67.02 arc(114.43,66.85) 114.59,66.78 114.71,66.78 arc(114.88,66.85) 114.95,67.02 114.95,68.54 arc(115.03,68.71) 115.19,68.78 115.31,68.78 arc(115.48,68.71) 115.55,68.54 115.55,67.02 arc(115.63,66.85) 115.79,66.78 115.91,66.78 arc(116.08,66.85) 116.15,67.02 116.15,68.54 arc(116.23,68.71) 116.39,68.78 116.51,68.78 arc(116.68,68.71) 116.75,68.54 116.75,67.02 arc(116.83,66.85) 116.99,66.78 117.11,66.78 arc(117.28,66.85) 117.35,67.02 117.35,68.54 arc(117.43,68.71) 117.59,68.78 117.71,68.78 arc(117.88,68.71) 117.95,68.54 117.95,67.02 arc(118.03,66.85) 118.19,66.78 118.31,66.78 arc(118.48,66.85) 118.55,67.02 118.55,68.54 arc(118.63,68.71) 118.79,68.78 118.91,68.78 arc(119.08,68.71) 119.15,68.54 119.15,67.02 arc(119.23,66.85) 119.39,66.78 119.51,66.78 arc(119.68,66.85) 119.75,67.02 119.75,68.54 arc(119.83,68.71) 119.99,68.78 120.11,68.78 arc(120.28,68.71) 120.35,68.54 120.35,67.02 arc(120.43,66.85) 120.59,66.78 120.71,66.78 arc(120.88,66.85) 120.95,67.02 120.95,68.54 arc(121.03,68.71) 121.19,68.78 121.31,68.78 arc(121.48,68.71) 121.55,68.54 121.55,67.02 arc(121.63,66.85) 121.79,66.78 121.91,66.78 arc(122.08,66.85) 122.15,67.02 122.15,68.54 arc(122.23,68.71) 122.39,68.78 122.51,68.78 arc(122.68,68.71) 122.75,68.54 122.75,67.02 arc(122.83,66.85) 122.99,66.78 123.11,66.78 arc(123.28,66.85) 123.35,67.02 123.35,68.54 arc(123.43,68.71) 123.59,68.78 123.71,68.78 arc(123.88,68.71) 123.95,68.54 123.95,67.02 arc(124.03,66.85) 124.19,66.78 124.31,66.78 arc(124.48,66.85) 124.55,67.02 124.55,68.54 arc(124.63,68.71) 124.79,68.78 124.91,68.78 arc(125.08,68.71) 125.15,68.54 125.15,67.02 arc(125.23,66.85) 125.39,66.78 125.51,66.78 arc(125.68,66.85) 125.75,67.02 125.75,68.54 arc(125.83,68.71) 125.99,68.78 126.11,68.78 arc(126.28,68.71) 126.35,68.54 126.35,67.02 arc(126.43,66.85) 126.59,66.78 126.71,66.78 arc(126.88,66.85) 126.95,67.02 126.95,68.54 arc(127.03,68.71) 127.19,68.78 127.31,68.78 arc(127.48,68.71) 127.55,68.54 127.55,67.02 arc(127.63,66.85) 127.79,66.78 127.91,66.78 arc(128.08,66.85) 128.15,67.02 128.15,68.54 arc(128.23,68.71) 128.39,68.78 128.51,68.78 arc(128.68,68.71) 128.75,68.54 128.75,67.02 arc(128.83,66.85) 128.99,66.78 129.11,66.78 arc(129.28,66.85) 129.35,67.02 129.35,68.54 arc(129.43,68.71) 129.59,68.78 129.71,68.78 arc(129.88,68.71) 129.95,68.54 129.95,67.02 arc(130.03,66.85) 130.19,66.78 130.31,66.78 arc(130.48,66.85) 130.55,67.02 130.55,68.54 arc(130.63,68.71) 130.79,68.78 130.91,68.78 arc(131.08,68.71) 131.15,68.54 131.15,67.02 arc(131.23,66.85) 131.39,66.78 131.51,66.78 arc(131.68,66.85) 131.75,67.02 131.75,68.54 arc(131.83,68.71) 131.99,68.78 132.11,68.78 arc(132.28,68.71) 132.35,68.54 132.35,67.02 arc(132.43,66.85) 132.59,66.78 132.71,66.78 arc(132.88,66.85) 132.95,67.02 132.95,68.54 arc(133.03,68.71) 133.19,68.78 133.31,68.78 arc(133.48,68.71) 133.55,68.54 133.55,67.02 arc(133.63,66.85) 133.79,66.78 133.91,66.78 arc(134.08,66.85) 134.15,67.02 134.15,67.54 arc(134.23,67.71) 134.39,67.78 149.89,67.78 158.09,75.98 158.09,89.21 163.07,94.2 163.13,94.14 171.25,94.14 172.4,95.29 P2.38